# KiCad board SoundLab16StepSequencer.kicad_pcb
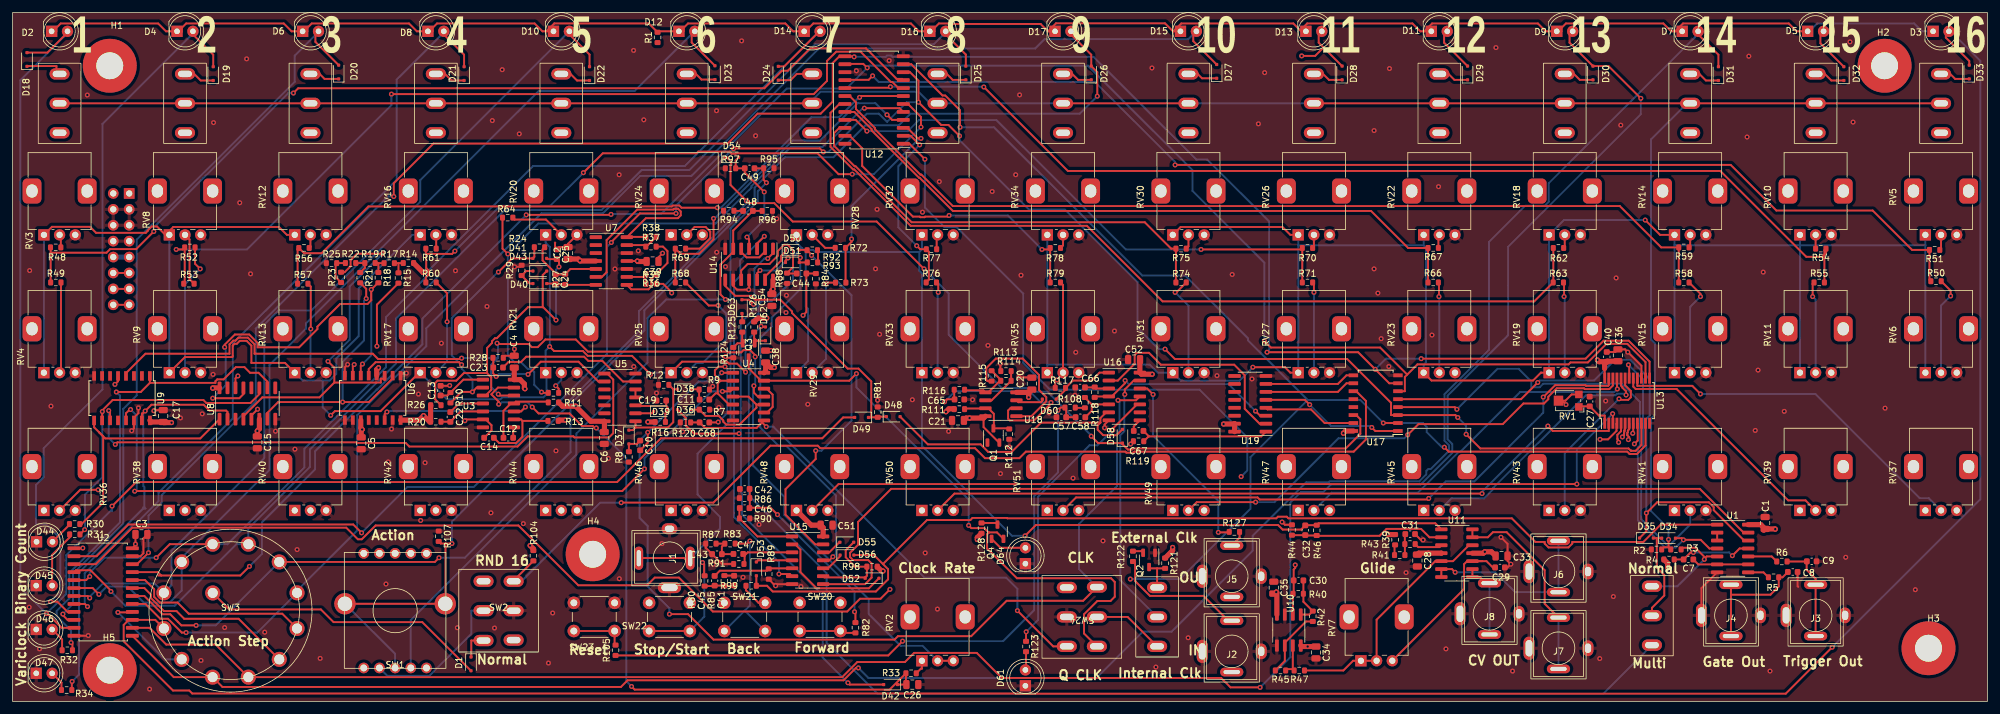
[diagram p0: board, top side]
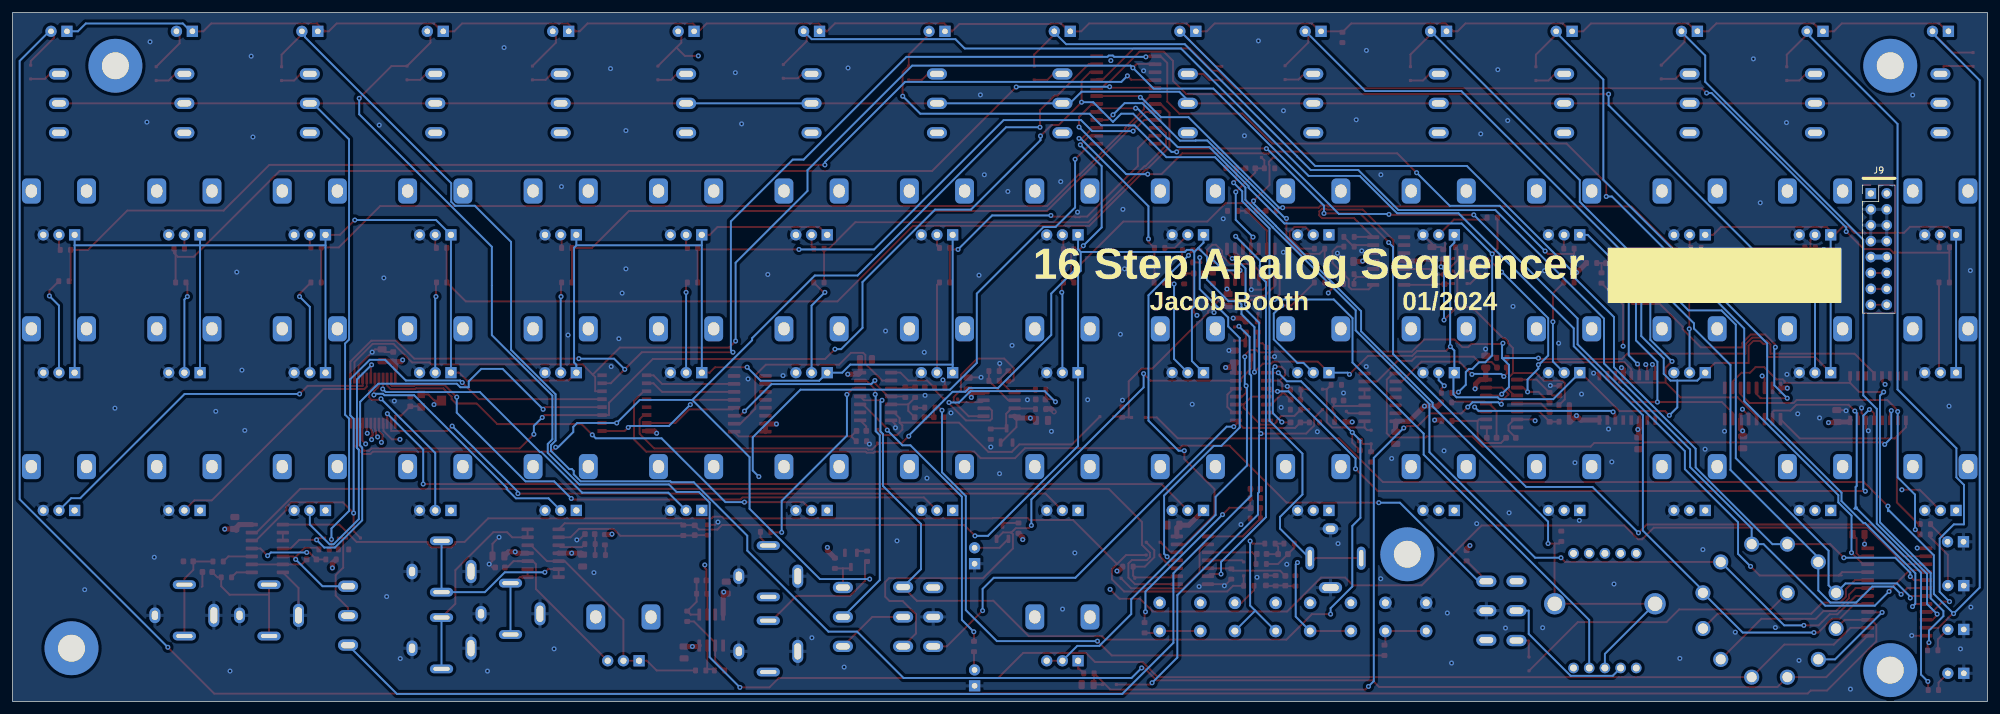
[diagram p1: board, bottom side, seen from below]

Outline 314.9 x 110 mm; copper layers: Top, In1.Cu, In2.Cu, Bottom. Coordinates in mm from the lower left corner of the outline.
Outline path: rectangle 0,110 314.9,0
Stack: Top 0.035mm / dielectric 0.1mm FR4 er 4.5 / In1.Cu 0.035mm / dielectric 1.24mm FR4 er 4.5 / In2.Cu 0.035mm / dielectric 0.1mm FR4 er 4.5 / Bottom 0.035mm

## Placement (name value [footprint] x y rotation side)
C1  470nF  [C_0805_2012Metric]  279.45 28.5 90 top
C2  470nF  [C_0805_2012Metric]  88.57 71.6 90 top
C3  470nF  [C_0805_2012Metric]  20.55 26.68 0 top
C4  470nF  [C_0805_2012Metric]  80 54.25 90 top
C5  470nF  [C_0805_2012Metric]  55.6 41.22 270 top
C6  470nF  [C_0805_2012Metric]  94.35 42.07 270 top
C7  1nF  [C_0603_1608Metric]  267.23 22.68 180 top
C8  1nF  [C_0603_1608Metric]  283.85 20.68 180 top
C9  1nF  [C_0603_1608Metric]  286.88 22.38 180 top
C10  1nF  [C_0603_1608Metric]  100.07 40.88 270 top
C11  1nF  [C_0603_1608Metric]  110.32 48.2 0 top
C12  100pF  [C_0603_1608Metric]  79.05 42.1 0 top
C13  680pF  [C_0603_1608Metric]  68.25 49.62 90 top
C14  100pF  [C_0603_1608Metric]  75.97 42.1 180 top
C15  470nF  [C_0805_2012Metric]  39.03 41.38 270 top
C17  470nF  [C_0805_2012Metric]  24.03 45.57 90 top
C19  680pF  [C_0603_1608Metric]  103.45 48.05 180 top
C20  470nF  [C_0805_2012Metric]  162.53 50.75 90 top
C21  470nF  [C_0805_2012Metric]  150.75 44.88 0 top
C22  100pF  [C_0603_1608Metric]  69.81 45.43 90 top
C23  100pF  [C_0603_1608Metric]  77.43 53.32 0 top
C24  10pF  [C_0603_1608Metric]  86.57 67.4 270 top
C25  22pF  [C_0603_1608Metric]  86.78 71.4 270 top
C26  1uF  [C_0805_2012Metric]  143.47 2.7 180 top
C27  20nF  [C_0603_1608Metric]  251.48 47.9 90 top
C28  470nF  [C_0805_2012Metric]  224 22.5 270 top
C29  470nF  [C_0805_2012Metric]  237.43 23.22 180 top
C30  470pF  [C_0603_1608Metric]  205.05 19.32 0 top
C31  100nF  [C_0603_1608Metric]  222.85 26.72 0 top
C32  470pF  [C_0603_1608Metric]  206.12 27.34 90 top
C33  100nF  [C_0603_1608Metric]  237.18 21.4 0 top
C34  470nF  [C_0805_2012Metric]  207.82 7.82 270 top
C35  470nF  [C_0805_2012Metric]  201.1 18.18 270 top
C36  470nF  [C_0805_2012Metric]  255.98 55.28 270 top
C38  470nF  [C_0805_2012Metric]  120.07 55.07 90 top
C39  470nF  [C_0805_2012Metric]  102.05 70.25 180 top
C40  100nF  [C_0603_1608Metric]  254.2 55.03 270 top
C41  10nF  [C_0603_1608Metric]  115.05 19.3 90 top
C42  10nF  [C_0603_1608Metric]  116.75 33.94 180 top
C43  10nF  [C_0603_1608Metric]  112.32 23.53 180 top
C44  20nF  [C_0603_1608Metric]  125.8 68.33 0 top
C45  20nF  [C_0603_1608Metric]  111.95 19.28 90 top
C46  20nF  [C_0603_1608Metric]  116.72 30.88 180 top
C47  20nF  [C_0603_1608Metric]  115.72 23.55 0 top
C48  10nF  [C_0603_1608Metric]  117.27 78.33 0 top
C49  10nF  [C_0603_1608Metric]  117.53 85.12 180 top
C51  470nF  [C_0805_2012Metric]  129.8 28.15 0 top
C52  470nF  [C_0805_2012Metric]  178.82 54.59 180 top
C54  470nF  [C_0805_2012Metric]  121.07 64.1 270 top
C57  10nF  [C_0603_1608Metric]  167.22 45.38 180 top
C58  10nF  [C_0603_1608Metric]  170.28 45.38 180 top
C65  10nF  [C_0603_1608Metric]  150.97 48.22 180 top
C66  1nF  [C_0603_1608Metric]  170.22 50.15 0 top
C67  100pF  [C_0603_1608Metric]  179.55 43.2 180 top
C68  470pF  [C_0603_1608Metric]  110.32 44.55 0 top
D1  1N914  [D_SOD-323F]  73.1 6 270 top
D2  LED  [LED_D5.0mm]  6.22 107 0 top
D3  LED  [LED_D5.0mm]  306.23 107 0 top
D4  LED  [LED_D5.0mm]  26.22 107 0 top
D5  LED  [LED_D5.0mm]  286.23 107 0 top
D6  LED  [LED_D5.0mm]  46.25 107 0 top
D7  LED  [LED_D5.0mm]  266.23 107 0 top
D8  LED  [LED_D5.0mm]  66.22 107 0 top
D9  LED  [LED_D5.0mm]  246.23 107 0 top
D10  LED  [LED_D5.0mm]  86.25 107 0 top
D11  LED  [LED_D5.0mm]  226.23 107 0 top
D12  LED  [LED_D5.0mm]  106.25 107 0 top
D13  LED  [LED_D5.0mm]  206.23 107 0 top
D14  LED  [LED_D5.0mm]  126.22 107 0 top
D15  LED  [LED_D5.0mm]  186.22 107 0 top
D16  LED  [LED_D5.0mm]  146.25 107 0 top
D17  LED  [LED_D5.0mm]  166.22 107 0 top
D18  1N914  [D_SOD-323F]  2.3 102.5 90 top
D19  1N914  [D_SOD-323F]  32 100.25 90 top
D20  1N914  [D_SOD-323F]  52 100.5 90 top
D21  1N914  [D_SOD-323F]  72 100.25 90 top
D22  1N914  [D_SOD-323F]  92 100.25 90 top
D23  1N914  [D_SOD-323F]  112 100.4 90 top
D24  1N914  [D_SOD-323F]  122.1 100.3 90 top
D25  1N914  [D_SOD-323F]  152 100.35 90 top
D26  1N914  [D_SOD-323F]  172 100.35 90 top
D27  1N914  [D_SOD-323F]  192 100.6 90 top
D28  1N914  [D_SOD-323F]  212 100.35 90 top
D29  1N914  [D_SOD-323F]  232 100.35 90 top
D30  1N914  [D_SOD-323F]  252 100.35 90 top
D31  1N914  [D_SOD-323F]  272 100.25 90 top
D32  1N914  [D_SOD-323F]  292 100.25 90 top
D33  1N914  [D_SOD-323F]  312 100.5 90 top
D34  1N914  [D_SOD-323F]  264.05 26.07 0 top
D35  1N914  [D_SOD-323F]  260.52 26.1 0 top
D36  1N914  [D_SOD-323F]  107.12 46.6 180 top
D37  1N914  [D_SOD-323F]  98.28 42.22 270 top
D38  1N914  [D_SOD-323F]  107.12 49.85 0 top
D39  1N914  [D_SOD-323F]  103.32 46.32 0 top
D40  1N914  [D_SOD-323F]  84.07 66.72 0 top
D41  1N914  [D_SOD-323F]  84.06 70.75 0 top
D42  1N914  [D_SOD-323F]  140 2.7 180 top
D43  1N914  [D_SOD-323F]  84.07 68.72 0 top
D44  LED  [LED_D5.0mm]  3.83 25.5 0 top
D45  LED  [LED_D5.0mm]  3.78 18.5 0 top
D46  LED  [LED_D5.0mm]  3.78 11.5 0 top
D47  LED  [LED_D5.0mm]  3.78 4.5 0 top
D48  1N914  [D_SOD-323F]  140.43 45.47 0 top
D49  1N914  [D_SOD-323F]  135.38 45.35 180 top
D50  1N914  [D_SOD-323F]  124.32 72.1 0 top
D51  1N914  [D_SOD-323F]  124.34 70.1 0 top
D52  1N914  [D_SOD-323F]  137.05 19.68 180 top
D53  1N914  [D_SOD-323F]  118.6 21.18 270 top
D54  1N914  [D_SOD-323F]  114.68 86.88 0 top
D55  1N914  [D_SOD-323F]  133.03 25.43 0 top
D56  1N914  [D_SOD-323F]  133.05 23.38 0 top
D58  1N914  [D_SOD-323F]  176.97 42.35 90 top
D60  1N914  [D_SOD-323F]  165.3 48.28 180 top
D61  LED  [LED_D5.0mm]  161.5 2.5 90 top
D62  1N914  [D_SOD-323F]  120.05 58.7 90 top
D63  1N914  [D_SOD-323F]  116.3 63.05 90 top
D64  LED  [LED_D5.0mm]  161.5 22 90 top
H1  MountingHole  [MountingHole_4.3mm_M4_Pad#5]  16.62 102.62 0 top
H2  MountingHole  [MountingHole_4.3mm_M4_Pad#3]  298.27 101.53 0 top
H3  MountingHole  [MountingHole_4.3mm_M4_Pad#2]  306.3 7.97 0 top
H4  MountingHole  [MountingHole_4.3mm_M4_Pad#4]  92.6 23.47 0 top
H5  MountingHole  [MountingHole_4.3mm_M4_Pad]  15.36 4.9 0 top
J1  External Start  [PJ-301-BM]  104.75 22.88 90 top
J2  External Clock Input  [PJ-301-BM]  194.4 8 0 top
J3  Trigger Out  [PJ-301-BM]  287.5 13.75 0 top
J4  Gate Out  [PJ-301-BM]  274 13.75 0 top
J5  External Clock Output  [PJ-301-BM]  194.4 20 0 top
J6  Sequencer CV3  [PJ-301-BM]  246.5 20.75 0 top
J7  Sequencer CV2  [PJ-301-BM]  246.5 8.5 0 top
J8  Sequencer CV1  [PJ-301-BM]  235.5 14 0 top
J9  Conn_01x16_Pin  [PinHeader_2x08_P2.54mm_Vertical]  18.6 81.11 180 bottom
Q1  MMBT3904-7-F  [SOT-23-3]  156.4 42.47 90 top
Q2  MMBT3904-7-F  [SOT-23-3]  181.22 22.6 270 top
Q3  MMBT3906  [SOT-23-3]  117.38 56.05 270 top
Q4  MMBT3904-7-F  [SOT-23-3]  157.05 27.1 90 top
R1  3k  [R_0603_1608Metric]  102.85 106.03 90 top
R2  4.7k  [R_0603_1608Metric]  262.12 24.28 180 top
R3  100k  [R_0603_1608Metric]  265.23 24.28 0 top
R4  100k  [R_0603_1608Metric]  264.12 22.68 0 top
R5  1k  [R_0603_1608Metric]  280.8 19.82 0 top
R6  1k  [R_0603_1608Metric]  282.12 22.35 0 top
R7  200k  [R_0603_1608Metric]  110.32 46.6 0 top
R8  4.7k  [R_0603_1608Metric]  98.28 39.05 90 top
R9  4.7k  [R_0603_1608Metric]  110.3 49.8 0 top
R10  20k  [R_0603_1608Metric]  69.82 48.5 90 top
R11  100k  [R_0603_1608Metric]  86.25 47.75 180 top
R12  47k  [R_0603_1608Metric]  103.82 50.55 180 top
R13  47k  [R_0603_1608Metric]  86.2 44.8 180 top
R14  470k  [R_0603_1608Metric]  63.12 70 0 top
R15  20k  [R_0603_1608Metric]  61.53 67.61 270 top
R16  1M  [R_0603_1608Metric]  103.28 44.62 0 top
R17  10k  [R_0603_1608Metric]  60.06 69.98 0 top
R18  20k  [R_0603_1608Metric]  58.33 67.67 270 top
R19  10k  [R_0603_1608Metric]  57 70 0 top
R20  47k  [R_0603_1608Metric]  67.49 44.67 0 top
R21  20k  [R_0603_1608Metric]  55.44 67.67 270 top
R22  10k  [R_0603_1608Metric]  53.9 70 0 top
R23  20k  [R_0603_1608Metric]  52.39 67.72 90 top
R24  10k  [R_0603_1608Metric]  84.03 72.53 180 top
R25  20k  [R_0603_1608Metric]  50.86 69.99 0 top
R26  200k  [R_0603_1608Metric]  67.5 47.3 0 top
R27  1M  [R_0603_1608Metric]  88.12 67.4 90 top
R28  4.7k  [R_0603_1608Metric]  77.43 54.87 180 top
R29  6.2k  [R_0603_1608Metric]  81.18 68.83 270 top
R30  4.7k  [R_0603_1608Metric]  9.9 28.32 0 top
R31  4.7k  [R_0603_1608Metric]  9.92 26.68 0 top
R32  4.7k  [R_0603_1608Metric]  8.72 8.18 0 top
R33  4.7k  [R_0603_1608Metric]  143.28 4.5 0 top
R34  4.7k  [R_0603_1608Metric]  8.62 1.82 0 top
R35  39k  [R_0603_1608Metric]  101.82 66.67 0 top
R36  22k  [R_0603_1608Metric]  101.82 68.22 180 top
R37  10k  [R_0603_1608Metric]  101.8 72.62 0 top
R38  10k  [R_0603_1608Metric]  101.8 74.17 0 top
R39  10k  [R_0603_1608Metric]  220.45 25.82 90 top
R40  100k  [R_0603_1608Metric]  205 17.2 0 top
R41  47k  [R_0603_1608Metric]  221.19 23.38 180 top
R42  10k  [R_0603_1608Metric]  207.32 13.6 90 top
R43  47k  [R_0603_1608Metric]  222.82 25.12 180 top
R44  100k  [R_0603_1608Metric]  204 27.38 90 top
R45  10k  [R_0603_1608Metric]  202.18 4.95 180 top
R46  200k  [R_0603_1608Metric]  207.95 27.32 270 top
R47  22  [R_0603_1608Metric]  205.18 4.95 180 top
R48  1M  [R_0603_1608Metric]  6.88 72.5 0 top
R49  50k  [R_0603_1608Metric]  6.9 66.9 0 top
R50  50k  [R_0603_1608Metric]  306.7 67.1 180 top
R51  1M  [R_0603_1608Metric]  306.48 72.1 180 top
R52  50k  [R_0603_1608Metric]  28.28 72.5 0 top
R53  1M  [R_0603_1608Metric]  28.12 66.7 180 top
R54  1M  [R_0603_1608Metric]  288.32 72.3 180 top
R55  50k  [R_0603_1608Metric]  288.07 66.9 180 top
R56  1M  [R_0603_1608Metric]  46.47 72.41 0 top
R57  50k  [R_0603_1608Metric]  46.28 66.7 0 top
R58  50k  [R_0603_1608Metric]  266.5 66.9 180 top
R59  1M  [R_0603_1608Metric]  266.5 72.5 180 top
R60  50k  [R_0603_1608Metric]  66.72 66.9 0 top
R61  1M  [R_0603_1608Metric]  66.72 72.3 180 top
R62  1M  [R_0603_1608Metric]  246.5 72.41 0 top
R63  50k  [R_0603_1608Metric]  246.48 66.9 0 top
R64  1M  [R_0603_1608Metric]  78.95 77.25 0 top
R65  50k  [R_0603_1608Metric]  86.25 49.28 0 top
R66  50k  [R_0603_1608Metric]  226.52 66.9 180 top
R67  1M  [R_0603_1608Metric]  226.52 72.41 180 top
R68  50k  [R_0603_1608Metric]  106.5 66.9 0 top
R69  1M  [R_0603_1608Metric]  106.5 72.3 180 top
R70  1M  [R_0603_1608Metric]  206.48 72.41 0 top
R71  50k  [R_0603_1608Metric]  206.48 66.9 0 top
R72  1M  [R_0603_1608Metric]  132 72.42 180 top
R73  50k  [R_0603_1608Metric]  132.05 66.88 180 top
R74  50k  [R_0603_1608Metric]  186.32 66.9 180 top
R75  1M  [R_0603_1608Metric]  186.32 72.3 180 top
R76  50k  [R_0603_1608Metric]  146.5 66.9 0 top
R77  1M  [R_0603_1608Metric]  146.53 72.21 180 top
R78  1M  [R_0603_1608Metric]  166.28 72.41 0 top
R79  50k  [R_0603_1608Metric]  166.28 66.9 0 top
R80  10k  [R_0603_1608Metric]  110.35 19.25 90 top
R81  100k  [R_0603_1608Metric]  137.95 46.2 270 top
R82  10k  [R_0603_1608Metric]  134.4 11.78 90 top
R83  10k  [R_0603_1608Metric]  114.4 25.2 180 top
R84  1M  [R_0603_1608Metric]  128.09 67.5 90 top
R85  680k  [R_0603_1608Metric]  113.5 19.28 270 top
R86  680k  [R_0603_1608Metric]  116.72 32.47 0 top
R87  680k  [R_0603_1608Metric]  111.35 25.2 0 top
R88  1M  [R_0603_1608Metric]  123.5 67.58 90 top
R89  220k  [R_0603_1608Metric]  120.57 20.35 90 top
R90  220k  [R_0603_1608Metric]  116.72 29.22 180 top
R91  220k  [R_0603_1608Metric]  115.8 21.95 0 top
R92  10k  [R_0603_1608Metric]  127.52 72.05 180 top
R93  10k  [R_0603_1608Metric]  127.54 70.1 180 top
R94  100k  [R_0603_1608Metric]  114.2 78.35 180 top
R95  100k  [R_0603_1608Metric]  120.59 85.14 0 top
R96  100k  [R_0603_1608Metric]  120.34 78.33 180 top
R97  100k  [R_0603_1608Metric]  114.47 85.12 0 top
R98  47k  [R_0603_1608Metric]  137.05 21.53 180 top
R99  47k  [R_0603_1608Metric]  117.78 18.47 0 top
R104  47k  [R_0603_1608Metric]  83.05 23.28 90 top
R105  10k  [R_0603_1608Metric]  96.15 8.18 90 top
R107  47k  [R_0603_1608Metric]  67.95 26.38 270 top
R108  680k  [R_0603_1608Metric]  168.62 46.93 180 top
R110  220k  [R_0603_1608Metric]  170.98 47.71 270 top
R111  100k  [R_0603_1608Metric]  150.97 46.68 180 top
R112  2M  [R_0603_1608Metric]  158.93 42.69 90 top
R113  4.7k  [R_0603_1608Metric]  158.4 52.75 0 top
R114  4.7M  [R_0603_1608Metric]  158.4 51.2 0 top
R115  100k  [R_0603_1608Metric]  156.1 51.97 90 top
R116  1M  [R_0603_1608Metric]  150.97 49.78 0 top
R117  4.7k  [R_0603_1608Metric]  167.07 50.07 0 top
R118  1M  [R_0603_1608Metric]  172.55 49.38 90 top
R119  10k  [R_0603_1608Metric]  179.55 41.55 0 top
R120  1M  [R_0603_1608Metric]  107.3 44.55 180 top
R121  4.7k  [R_0603_1608Metric]  183.78 22.07 90 top
R122  100k  [R_0603_1608Metric]  178.65 23.18 270 top
R123  3k  [R_0603_1608Metric]  161.6 8.78 270 top
R124  100k  [R_0603_1608Metric]  114.93 55.7 90 top
R125  47k  [R_0603_1608Metric]  116.35 59.8 90 top
R126  47k  [R_0603_1608Metric]  118.25 59.8 90 top
R127  1k  [R_0603_1608Metric]  194.82 27.07 0 top
R128  4.7k  [R_0603_1608Metric]  154.5 27.68 270 top
REF**  -  [SequencerFaceplate]  0 0 0 top
RV1  20k  [Potentiometer_Bourns_TC33X_Vertical]  247.95 48.03 180 top
RV2  1M  [Potentiometer_Alps_RK09K_Single_Vertical]  145 6.5 90 top
RV3  50k  [Potentiometer_Alps_RK09K_Single_Vertical]  5 74.5 90 top
RV4  50k  [Potentiometer_Alps_RK09K_Single_Vertical]  5 52.5 90 top
RV5  50k  [Potentiometer_Alps_RK09K_Single_Vertical]  305 74.5 90 top
RV6  50k  [Potentiometer_Alps_RK09K_Single_Vertical]  305 52.5 90 top
RV7  1M  [Potentiometer_Alps_RK09K_Single_Vertical]  215 6.5 90 top
RV8  50k  [Potentiometer_Alps_RK09K_Single_Vertical]  25 74.5 90 top
RV9  50k  [Potentiometer_Alps_RK09K_Single_Vertical]  25 52.5 90 top
RV10  50k  [Potentiometer_Alps_RK09K_Single_Vertical]  285 74.5 90 top
RV11  50k  [Potentiometer_Alps_RK09K_Single_Vertical]  285 52.5 90 top
RV12  50k  [Potentiometer_Alps_RK09K_Single_Vertical]  45 74.5 90 top
RV13  50k  [Potentiometer_Alps_RK09K_Single_Vertical]  45 52.5 90 top
RV14  50k  [Potentiometer_Alps_RK09K_Single_Vertical]  265 74.5 90 top
RV15  50k  [Potentiometer_Alps_RK09K_Single_Vertical]  265 52.5 90 top
RV16  50k  [Potentiometer_Alps_RK09K_Single_Vertical]  65 74.5 90 top
RV17  50k  [Potentiometer_Alps_RK09K_Single_Vertical]  65 52.5 90 top
RV18  50k  [Potentiometer_Alps_RK09K_Single_Vertical]  245 74.5 90 top
RV19  50k  [Potentiometer_Alps_RK09K_Single_Vertical]  245 52.5 90 top
RV20  50k  [Potentiometer_Alps_RK09K_Single_Vertical]  85 74.5 90 top
RV21  50k  [Potentiometer_Alps_RK09K_Single_Vertical]  85 52.5 90 top
RV22  50k  [Potentiometer_Alps_RK09K_Single_Vertical]  225 74.5 90 top
RV23  50k  [Potentiometer_Alps_RK09K_Single_Vertical]  225 52.5 90 top
RV24  50k  [Potentiometer_Alps_RK09K_Single_Vertical]  105 74.5 90 top
RV25  50k  [Potentiometer_Alps_RK09K_Single_Vertical]  105 52.5 90 top
RV26  50k  [Potentiometer_Alps_RK09K_Single_Vertical]  205 74.5 90 top
RV27  50k  [Potentiometer_Alps_RK09K_Single_Vertical]  205 52.5 90 top
RV28  50k  [Potentiometer_Alps_RK09K_Single_Vertical]  125 74.5 90 top
RV29  50k  [Potentiometer_Alps_RK09K_Single_Vertical]  125 52.5 90 top
RV30  50k  [Potentiometer_Alps_RK09K_Single_Vertical]  185 74.5 90 top
RV31  50k  [Potentiometer_Alps_RK09K_Single_Vertical]  185 52.5 90 top
RV32  50k  [Potentiometer_Alps_RK09K_Single_Vertical]  145 74.5 90 top
RV33  50k  [Potentiometer_Alps_RK09K_Single_Vertical]  145 52.5 90 top
RV34  50k  [Potentiometer_Alps_RK09K_Single_Vertical]  165 74.5 90 top
RV35  50k  [Potentiometer_Alps_RK09K_Single_Vertical]  165 52.5 90 top
RV36  50k  [Potentiometer_Alps_RK09K_Single_Vertical]  5 30.5 90 top
RV37  50k  [Potentiometer_Alps_RK09K_Single_Vertical]  305 30.5 90 top
RV38  50k  [Potentiometer_Alps_RK09K_Single_Vertical]  25 30.5 90 top
RV39  50k  [Potentiometer_Alps_RK09K_Single_Vertical]  285 30.5 90 top
RV40  50k  [Potentiometer_Alps_RK09K_Single_Vertical]  45 30.5 90 top
RV41  50k  [Potentiometer_Alps_RK09K_Single_Vertical]  265 30.5 90 top
RV42  50k  [Potentiometer_Alps_RK09K_Single_Vertical]  65 30.5 90 top
RV43  50k  [Potentiometer_Alps_RK09K_Single_Vertical]  245 30.5 90 top
RV44  50k  [Potentiometer_Alps_RK09K_Single_Vertical]  85 30.5 90 top
RV45  50k  [Potentiometer_Alps_RK09K_Single_Vertical]  225 30.5 90 top
RV46  50k  [Potentiometer_Alps_RK09K_Single_Vertical]  105 30.5 90 top
RV47  50k  [Potentiometer_Alps_RK09K_Single_Vertical]  205 30.5 90 top
RV48  50k  [Potentiometer_Alps_RK09K_Single_Vertical]  125 30.5 90 top
RV49  50k  [Potentiometer_Alps_RK09K_Single_Vertical]  185 30.5 90 top
RV50  50k  [Potentiometer_Alps_RK09K_Single_Vertical]  145 30.5 90 top
RV51  50k  [Potentiometer_Alps_RK09K_Single_Vertical]  165 30.5 90 top
SW1  -  [SRBV141404]  61 14.5 0 top
SW2  SW_Push_DPDT  [MTS-203-A1-T0]  77.5 14.5 0 top
SW3  SR2612F-0112-21R0B-D8-N  [SR2612F-0112]  34.75 14.5 0 top
SW4  SW_SPST  [MTS-103-A01-T0]  7.5 95.5 90 top
SW5  SW_SPST  [MTS-103-A01-T0]  27.5 95.5 90 top
SW6  SW_SPST  [MTS-103-A01-T0]  47.5 95.5 90 top
SW7  SW_SPST  [MTS-103-A01-T0]  67.5 95.5 90 top
SW8  SW_SPST  [MTS-103-A01-T0]  87.5 95.5 90 top
SW9  SW_SPST  [MTS-103-A01-T0]  107.5 95.5 90 top
SW10  SW_SPST  [MTS-103-A01-T0]  127.5 95.5 90 top
SW11  SW_SPST  [MTS-103-A01-T0]  147.5 95.5 90 top
SW12  SW_SPST  [MTS-103-A01-T0]  167.5 95.5 90 top
SW13  SW_SPST  [MTS-103-A01-T0]  187.5 95.5 90 top
SW14  SW_SPST  [MTS-103-A01-T0]  207.5 95.5 90 top
SW15  SW_SPST  [MTS-103-A01-T0]  227.5 95.5 90 top
SW16  SW_SPST  [MTS-103-A01-T0]  247.5 95.5 90 top
SW17  SW_SPST  [MTS-103-A01-T0]  267.5 95.5 90 top
SW18  SW_SPST  [MTS-103-A01-T0]  287.5 95.5 90 top
SW19  SW_SPST  [MTS-103-A01-T0]  307.5 95.5 90 top
SW20  SW_Push  [SW_PUSH_6mm_H13mm]  125.5 15.75 0 top
SW21  SW_Push  [SW_PUSH_6mm_H13mm]  113.5 15.75 0 top
SW22  SW_Push  [SW_PUSH_6mm_H13mm]  101.5 15.75 0 top
SW23  SW_Push  [SW_PUSH_6mm_H13mm]  89.5 15.75 0 top
SW24  SW_Push_DPDT  [MTS-203-A1-T0]  170.5 13.5 180 top
SW25  SW_SPDT  [MTS-103-A01-T0]  182.5 13.5 270 top
SW26  SW_SPDT  [MTS-103-A01-T0]  261.4 13.7 90 top
U1  40106  [SOIC-14_3.9x8.7mm_P1.27mm]  274.27 24.43 0 top
U2  4514  [SOIC-24W_7.5x15.4mm_P1.27mm]  14.45 17.47 0 top
U3  40106  [SOIC-14_3.9x8.7mm_P1.27mm]  77.47 47.57 0 top
U4  4013  [SOIC-14_3.9x8.7mm_P1.27mm]  117.35 48.68 0 top
U5  40106  [SOIC-14_3.9x8.7mm_P1.27mm]  96.85 48.55 180 top
U6  40193  [SOIC-16W_5.3x10.2mm_P1.27mm]  57.43 48.47 270 top
U7  TL074  [SO-14_3.9x8.65mm_P1.27mm]  95.47 70.33 0 top
U8  4042  [SOP-16_3.9x9.9mm_P1.27mm]  37.45 47.57 90 top
U9  40193  [SOIC-16W_5.3x10.2mm_P1.27mm]  17.45 48.43 270 top
U10  TL082  [SOIC-8_3.9x4.9mm_P1.27mm]  203.5 11.4 270 top
U11  TL084  [SO-14_3.9x8.65mm_P1.27mm]  230.3 23.68 0 top
U12  CD74HC4067M  [SOIC-24W_7.5x15.4mm_P1.27mm]  137.38 96.03 180 top
U13  CD74HC4067SM  [SSOP-24_5.3x8.2mm_P0.65mm]  257.45 48.03 90 top
U14  4013  [SOIC-14_3.9x8.7mm_P1.27mm]  117.45 69.8 270 top
U15  40106  [SOIC-14_3.9x8.7mm_P1.27mm]  126.78 22.54 0 top
U16  40106  [SOIC-14_3.9x8.7mm_P1.27mm]  177.28 48.7 0 top
U17  40193  [SOIC-16W_5.3x10.2mm_P1.27mm]  217.35 47.63 180 top
U18  TL082  [SOIC-8_3.9x4.9mm_P1.27mm]  157.6 47.45 0 top
U19  CD4094  [SOP-16_3.9x9.9mm_P1.27mm]  197.35 47.53 180 top

## Library data of the parts
C1-C15 C17 C19-C36 C38-C49 C51 C52 C54 C57 C58 C65-C68 = -: Description: Unpolarized capacitor
D1 D18-D35 D48-D56 D58 D60 = -: Description: Diode; Sim.Device: D; Sim.Pins: 1=K 2=A
D2-D17 D44-D47 D61 D64 = -: Description: Light emitting diode
D36-D43 D62 D63 = -: Description: 100V 0.3A Small Signal Fast Switching Diode, DO-35
H1-H5 = -: Description: Mounting Hole without connection
J9 = -: Description: Generic connector, single row, 01x16, script generated
Q1 Q2 Q4 = -: Description: 0.2A Ic, 40V Vce, Small Signal NPN Transistor, TO-92
Q3 = -: Description: -0.2A Ic, -40V Vce, Small Signal PNP Transistor, TO-92
R1-R99 R104 R105 R107 R108 R110-R128 = -: Description: Resistor, US symbol
SW2 SW24 = -: Description: Momentary Switch, dual pole double throw
SW3 = -: Description: rotary switch with 12 positions
SW4-SW19 = -: Description: Single Pole Single Throw (SPST) switch
SW20-SW23 = -: Description: Push button switch, generic, two pins
SW25 SW26 = -: Description: Switch, single pole double throw
U1 U3 U5 U15 U16 = -: Description: Hex Schmitt trigger inverter
U4 U14 = -: Description: Dual D  FlipFlop, Set & reset
U7 = -: Description: Quad Low-Noise JFET-Input Operational Amplifiers, DIP-14/SOIC-14
U10 U18 = -: Description: Dual JFET-Input Operational Amplifiers, DIP-8/SOIC-8/SSOP-8
U11 = -: Description: Quad JFET-Input Operational Amplifiers, DIP-14/SOIC-14/SSOP-14
U12 = -: Description: High-Speed CMOS Logic 16-Channel Analog Multiplexer/Demultiplexer, SOIC-24
U13 = -: Description: High-Speed CMOS Logic 16-Channel Analog Multiplexer/Demultiplexer, SSOP-24
